# Altium PCB BG1094.PcbDoc (part 2 of 2)
Units mil, origin at the board's own origin, x right, y up, seen from the top; angles counter-clockwise.
Board outline 2559.06 x 2204.72 mil, 4 copper layers (Top Layer, Midlayer 1, Midlayer 2, Bottom Layer), stack 61.304 mil thick; 84 components, 137 nets, 468 pads, 337 vias.
Unrouted connection lines stored in the file: 1.
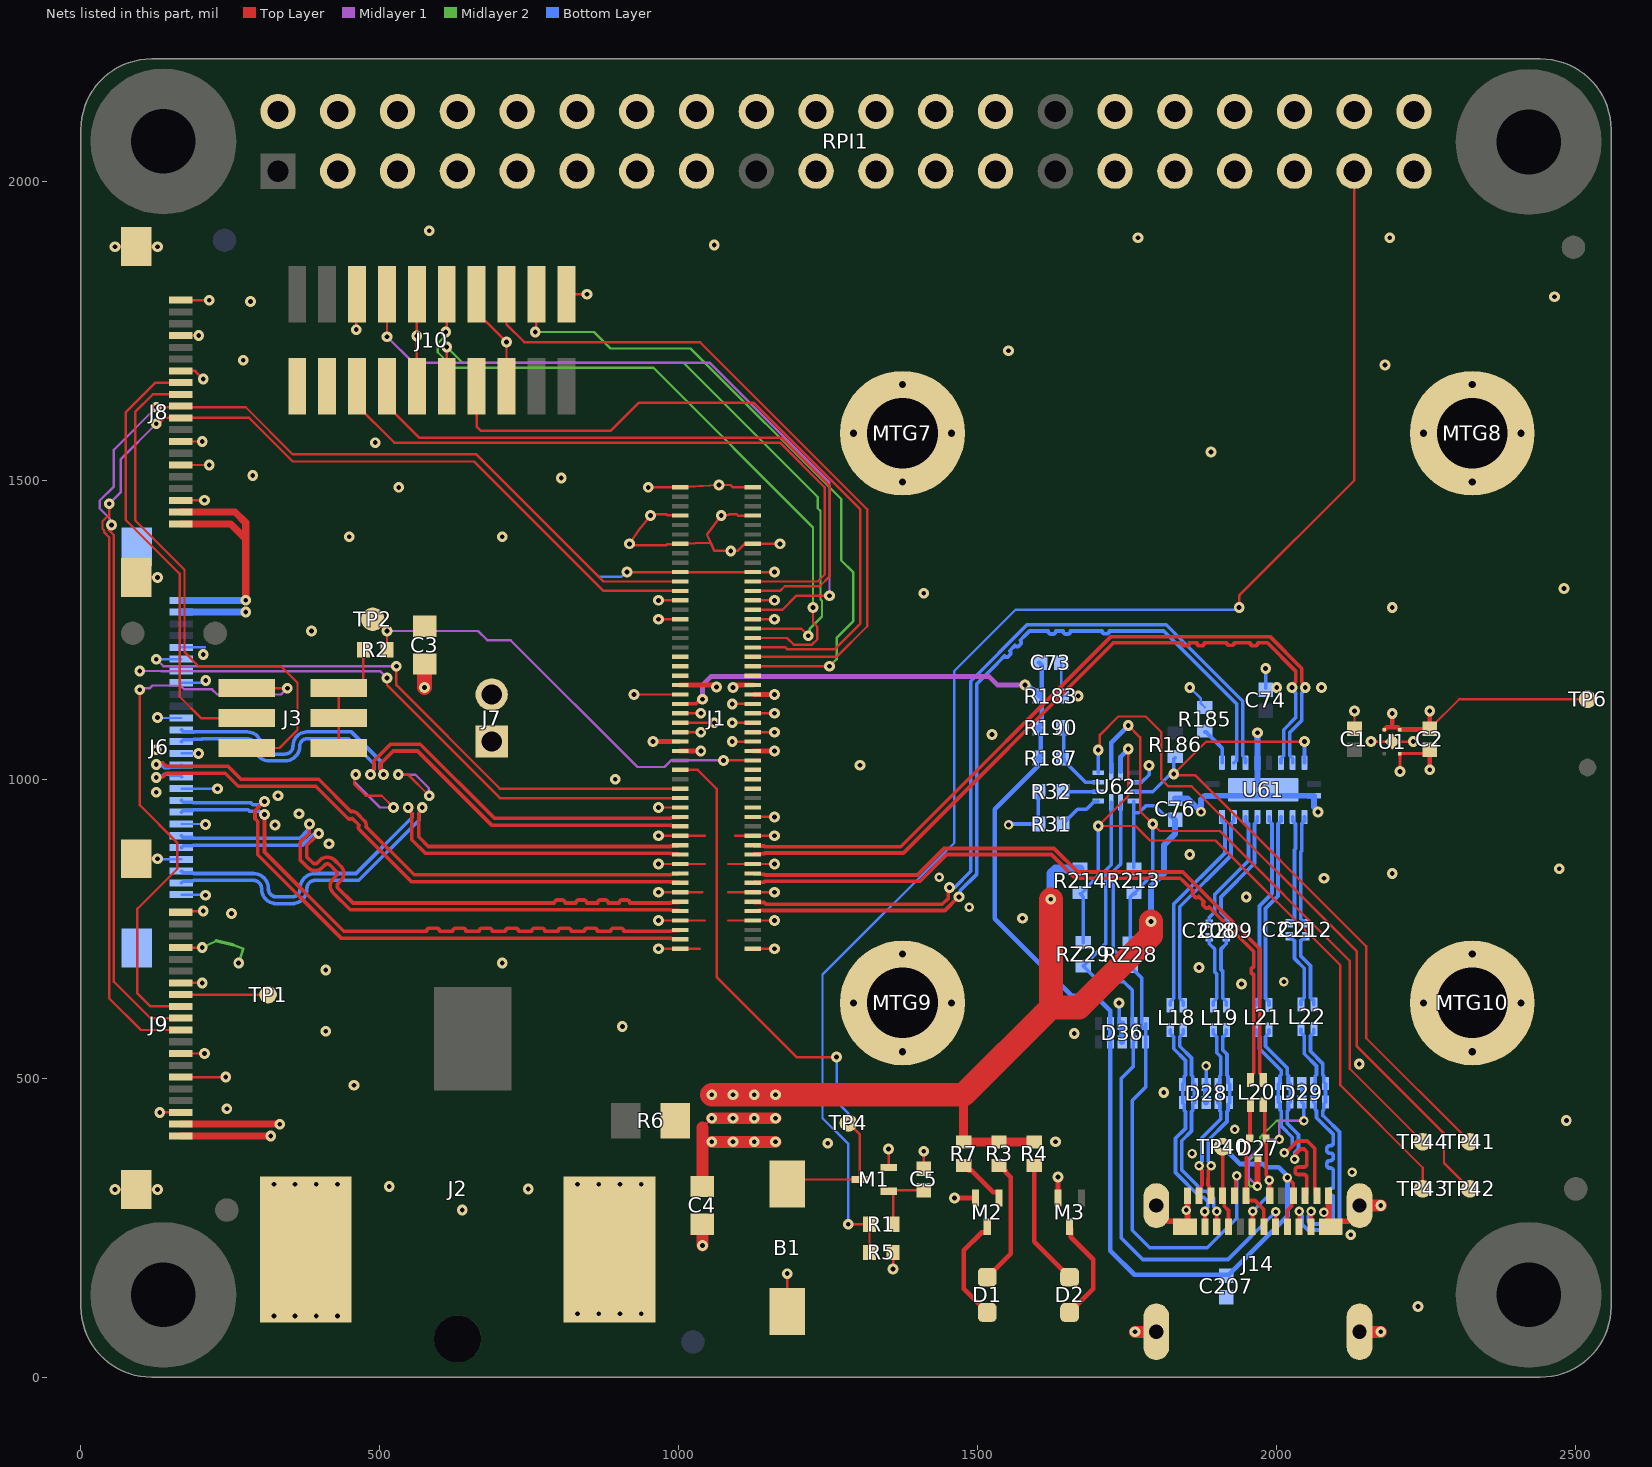
[diagram p4: the nets of this part, all layers, seen from the top]

## Via types
v1: diameter 18, hole 8, Top Layer to Bottom Layer, tented both sides, 293 vias
v2: diameter 16, hole 8, Top Layer to Bottom Layer, tented both sides, 28 vias
v3: diameter 24, hole 12, Top Layer to Bottom Layer, tented both sides, 16 vias

## Nets (pads, with @x,y where several pads share a name; then routed paths per layer and width w, separated by ;. In a path a pad name is that pad's centre, name@x,y a point inside that pad or via, vN(x,y) a via of type N, cw(c..) or ccw(c..) an arc to the next point about the centre after c; other vN are vias at no path point) (continued)
CC1: D36.1 D36.10 J14.A5 RZ28.1 U62.1 | length 1081.8
  Top Layer w6: J14.A5@1929.13,303.15 1931.16,305.18 1931.16,334.7 v2(1933.07,336.61)
  Bottom Layer w5.91: U62.1@1738.77,961.61 1738.77,858.35 1726.53,846.11 1726.53,715.53 RZ28.1@1755.14,686.93 1773.84,668.23 1773.84,587.19 1780.62,580.41 1780.62,575.49 ; D36.10@1780.62,591.24 D36.1@1780.62,560.53 1780.62,485.34 1758.03,462.75 1758.03,245.91 1787.4,216.54 1883.86,216.54 1933.07,265.75 v2(1933.07,336.61)
CC2: D36.2 D36.9 J14.B5 RZ29.1 U62.2 | length 1162.7
  Top Layer w6: J14.B5@1998.03,251.97 1998.09,252.03 1998.09,276.53 v2(1998.15,276.6)
  Bottom Layer w6: U62.2@1723.02,961.61 1723.02,857.01 1713.96,847.94 1713.96,725.27 RZ29.1@1676.39,687.7 1702.68,661.42 1744.09,661.42 1758.03,647.48 1758.03,578.4 1760.93,575.49 ; D36.9@1760.93,591.24 1760.93,575.49 ; v2(1998.15,276.6) 1918.41,196.85 1775.59,196.85 1740.16,232.28 1740.16,500 1759.87,519.71 1759.87,559.46 D36.2@1760.93,560.53 1760.93,575.49
COM_AUX_IO2: J1.42 R2.1 TP2.1 | length 763.1
  Top Layer w4: TP2.1@488.19,1267.72 490.16,1267.72 509.84,1248.03 v1(511.81,1248.03) R2.1@511.81,1228.35 ; v1(1074.8,1031.5) J1.42@1124.61,1031.5
  Midlayer 1 w4: v1(511.81,1248.03) 664.36,1248.03 679.8,1232.59 718.67,1232.59 930.83,1020.43 975.96,1020.43 987.02,1031.5 v1(1074.8,1031.5)
FSIN1: J3.2 J8.9 | length 910.9
  Top Layer w4: J8.9@167.32,1643.7 120.08,1643.7 90.55,1614.17 90.55,1433.07 173.23,1350.39 173.23,1212.6 196.85,1188.98 334.65,1188.98 362.2,1161.42 362.2,1082.68 331.89,1052.36 J3.2@277.56,1052.36
FSIN2: J3.6 J9.9 | length 971.7
  Top Layer w4: v1(98.43,1149.61) 98.43,956.69 161.42,893.7 161.42,850.39 94.49,783.46 94.49,641.73 116.14,620.08 J9.9@167.32,620.08 ; J3.6@277.56,1152.36 v1(345.28,1152.36)
  Midlayer 1 w4: v1(98.43,1149.61) 101.1,1152.28 107.69,1152.28 107.77,1152.36 115.4,1152.36 119.8,1156.76 166.45,1156.76 172.85,1150.35 219.5,1150.35 228.12,1141.73 334.65,1141.73 v1(345.28,1152.36)
GND: B1.1 C1.1 C2.2 C3.2 C4.2 C5.1 C73.1 C74.1 C76.1 C207.1 D27.3 D28.3 D28.8 D29.3 D29.8 D36.3 D36.8 J1.1 J1.2 J1.7 J1.8 J1.13 J1.14 J1.19 J1.20 J1.25 J1.26 J1.30 J1.31 J1.43 J1.44 J1.45 J1.46 J1.55 J1.56 J1.57 J1.58 J1.71 J1.72 J1.75 J1.76 J1.81 J1.82 J1.87 J1.88 J1.93 J1.94 J1.99 J1.100 J2.2 J2.3 J6.1 J6.4 J6.7 J6.10 J6.13 J6.16 J6.19 J6.22 J6.MP1 J6.MP2 J7.P1 J8.1 J8.4 J8.7 J8.13 J8.15 J8.18 J8.MP1 J8.MP2 J9.1 J9.4 J9.7 J9.13 J9.15 J9.18 J9.MP1 J9.MP2 J10.1 J10.6 J10.7 J10.11 J10.12 J10.15 J10.18 J10.20 J14.A1 J14.A12 J14.B1 J14.B12 J14.SH1 J14.SH2 J14.SH3 J14.SH4 M1.2 M2.2 M3.2 MTG7.1 MTG8.1 MTG9.1 MTG10.1 R5.1 R31.2 R32.2 R183.1 R185.2 RPI1.6 RPI1.9 RPI1.14 RPI1.20 RPI1.25 RPI1.30 RPI1.34 RPI1.39 U1.2 U1.5 U61.5 U61.11 U61.20 U61.21 U62.10 | length 6871.1
  Top Layer w4: v1(57.09,313.98) J9.MP2@92.52,313.98 v1(127.95,313.98) ; v1(57.09,1890.75) J8.MP1@92.52,1890.75 v1(127.95,1890.75) ; J9.MP1@92.52,867.13 v1(127.95,867.13) ; J8.MP2@92.52,1337.6 v1(127.95,1337.6) ; v1(131.89,442.91) J9.18@167.32,442.91 ; J9.15@167.32,501.97 v1(242.13,501.97) ; J9.13@167.32,541.34 v1(206.69,541.34) ; J9.7@167.32,659.45 v1(202.76,659.45) ; J9.4@167.32,718.5 v1(202.76,718.5) ; J9.1@167.32,777.56 169.29,779.53 v1(204.72,779.53) ; J8.18@167.32,1466.54 v1(206.69,1466.54) ; J8.15@167.32,1525.59 v1(214.57,1525.59) ; J8.13@167.32,1564.96 v1(202.76,1564.96) ; J8.4@167.32,1742.13 167.48,1742.28 v1(197.04,1742.28) v1@198.86,1744.09 ; J8.1@167.32,1801.18 v1(214.57,1801.18) ; J8.7@169.3,1681.1 J8.7@167.32,1683.07 190.94,1683.07 v1(204.72,1669.29) ; v1(459.78,1007.87) 457.1,1005.2 457.1,998.94 456.69,998.53 456.69,992.13 476.38,972.44 503.09,972.44 v1(522.77,952.76) ; v1(460.63,1751.97) 460.63,1809.84 J10.15@461.81,1811.02 ; v1(530.72,1007.87) 547.24,1007.87 v1(582.68,972.44) ; J10.12@561.81,1657.48 v1(561.81,1741.34) J10.11@561.81,1811.02 ; J10.7@661.81,1811.02 661.81,1778.74 674.77,1765.78 677.53,1765.78 v1(711.81,1731.5) J10.6@711.81,1657.48 ; J10.1@811.81,1811.02 v1(846.46,1811.02) ; v1(925.2,1141.73) J1.55@1001.38,1141.73 ; v1(948.82,1488.19) 1001.38,1488.19 v1(1066.93,1492.12) 1086.62,1492.12 1090.55,1488.19 J1.100@1124.61,1488.19 ; v1(965.95,716.54) 1001.38,716.54 1035.43,716.54 ; v1(965.95,763.78) 1001.38,763.78 1043.31,763.78 ; v1(965.95,811.02) 1001.38,811.02 1039.37,811.02 ; v1(965.95,858.27) 1001.38,858.27 1043.31,858.27 ; v1(965.95,905.51) 1001.38,905.51 1043.31,905.51 ; v1(965.95,952.76) J1.31@1001.38,952.76 ; v1(965.95,1267.72) J1.71@1001.38,1267.72 ; v1(965.95,1299.21) J1.75@1001.38,1299.21 ; J1.81@1001.38,1346.46 v1(913.39,1346.46) 1124.61,1346.46 v1(1160.04,1346.46) ; J1.93@1001.38,1440.94 1000.96,1441.36 980.61,1441.36 978.65,1443.32 955.13,1443.32 v1(952.76,1440.94) 933.07,1417.32 v1(917.32,1393.7) 919.7,1391.32 978.65,1391.32 980.61,1393.28 1000.96,1393.28 1001.38,1393.7 1053.15,1395.67 ; v1(1062.99,1154.53) v1@1062.99,1157.48 ; 1082.68,763.78 1124.61,763.78 v1(1160.04,763.78) ; 1082.68,811.02 1124.61,811.02 v1(1160.04,811.02) ; 1082.68,858.27 1124.61,858.27 v1(1160.04,858.27) ; v1(1089.17,1062.99) J1.46@1124.61,1062.99 ; v1(1090.55,1153.54) v1@1094.49,1157.48 ; 1094.49,905.51 1124.61,905.51 v1(1160.04,905.51) ; J1.2@1124.61,716.54 v1(1160.04,716.54) ; J1.30@1124.61,937.01 v1(1160.04,937.01) ; J1.72@1124.61,1267.72 v1(1160.04,1267.72) ; J1.76@1124.61,1299.21 v1(1160.04,1299.21) ; J1.94@1124.61,1440.94 1099.14,1440.94 1096.76,1443.32 1084.34,1443.32 1083.02,1442 1071.93,1442 v1(1070.87,1440.94) 1047.24,1409.45 1053.15,1395.67 ; v1(1169.29,1393.7) 1124.61,1393.7 1109.78,1393.7 1097.97,1381.89 v1(1086.61,1381.89) 1059.06,1381.89 1053.15,1395.67 ; B1.1@1181.1,110.24 v1(1181.1,173.23) ; M1.2@1350.79,350.39 v1(1350.79,381.5) ; v1(1358.27,181.1) R5.1@1358.27,208.66 ; C5.1@1409.45,348.43 v1(1409.45,377.95) ; C1.1@2129.92,1084.65 v1(2129.92,1114.17) ; v1(2157.48,1062.99) 2182.38,1062.99 U1.5@2192.91,1062.99 v1(2228.35,1062.99)
  Top Layer w5: v1(2205.91,1012.99) U1.2@2205.91,1042.91 C2.2@2249.61,1042.91
  Top Layer w8: v1(956.69,1062.99) J1.45@1001.38,1062.99 ; J1.43@1001.38,1047.24 v1(1036.81,1047.24) ; J1.57@1001.38,1157.48 v1@1062.99,1157.48 ; v1@1094.49,1157.48 J1.58@1124.61,1157.48 ; J1.44@1124.61,1047.24 v1(1160.04,1047.24) ; J1.56@1124.61,1141.73 v1(1160.04,1141.73) ; v1(1461.02,299.61) M2.2@1496.06,299.61 ; M3.2@1633.86,299.61 v1(1633.86,334.65) ; U1.5@2192.91,1055.91 U1.5@2192.91,1062.99 ; C2.2@2249.61,1042.91 C2.2@2255.91,1049.21 v1(2255.91,1015.75)
  Top Layer w9.84: J14.SH1@1798.43,287.01 1798.42,280.32 1817.91,260.83 1837.6,260.83 J14.B12@1846.46,251.97 1850.39,255.91 J14.A1@1850.39,303.15 ; v2(1967.52,319.41) 1968.01,319.9 1968.01,365.65 D27.3@1968.5,366.14 ; J14.A12@2086.61,303.15 2086.61,255.91 J14.B1@2090.55,251.97 2099.41,260.83 2119.1,260.83 2138.58,280.32 J14.SH4@2138.58,287.01
  Top Layer w20: v1(322.83,102.36) v1(358.27,102.36) v1(393.7,102.36) v1(429.13,102.36) ; v1(322.83,322.83) v1(358.27,322.83) v1(393.7,322.83) v1(429.13,322.83) ; v1(830.71,106.3) v1(866.14,106.3) v1(901.57,106.3) v1(937.01,106.3) ; v1(830.71,322.83) v1(866.14,322.83) v1(901.57,322.83) v1(937.01,322.83) ; v1(1039.37,220.47) C4.2@1039.37,255.91 ; v1(1762.99,75.98) J14.SH2@1798.43,75.98 ; J14.SH3@2138.58,75.98 v1(2174.02,75.98) ; J14.SH4@2138.58,287.01 v1(2174.02,287.01)
  Top Layer w25: v1(574.8,1153.54) C3.2@574.8,1192.91
  Midlayer 1 w4: v1(459.78,1007.87) 457.54,1005.63 457.54,995.22 500,952.76 v1(522.77,952.76) ; v1(530.72,1007.87) 559.05,1007.87 581.98,984.95 581.98,973.14 v1(582.68,972.44) ; v2(1967.52,319.41) 1952.76,334.17 1952.76,366.14 1984.25,397.64 v2(2003.94,397.64) 2003.85,397.73 2003.85,426.7 2006.19,429.05 v2(2045.38,429.05)
  Midlayer 2 w4: v1(202.76,718.5) 226.36,729.66 ; 253.96,723.09 271.65,716.54 v1(263.78,692.91) ; v2(1967.52,319.41) 1955.61,319.41 1953.26,321.75 1953.26,362.71 1972.44,381.89 1972.44,401.57 1999.91,429.05 v2(2045.38,429.05)
  Midlayer 2 w6: 226.36,729.66 253.96,723.09
  Bottom Layer w4: v1(127.95,867.13) 128.91,866.17 J6.4@168.19,866.17 ; v1@128.91,1102.39 J6.16@168.19,1102.39 ; J6.1@168.19,807.11 v1@207.46,807.11 ; J6.7@168.19,925.22 v1@207.46,925.22 ; J6.10@168.19,984.28 v1(228.32,984.28) ; J6.13@168.19,1043.33 v1(196.85,1043.31) ; J6.19@168.19,1161.44 v1@207.46,1161.44 ; J6.22@168.19,1220.5 207.46,1220.5 ; 866.81,1338.58 904.04,1338.58 911.92,1346.46 v1(913.39,1346.46) ; C73.1@1639.76,1194.88 1639.76,1141.2 R183.1@1641.73,1139.23 v1(1667.85,1139.23) ; v1@1786.4,1015.42 v1(1786.4,1023.03) ; v1(1854.33,1153.54) 1873.02,1134.86 1873.02,1126.96 R185.2@1879.61,1120.37
  Bottom Layer w5.91: v2(1551.41,923.76) 1552.84,925.19 1600.78,925.19 R32.2@1600.78,979.33 ; v1(1736.22,625.98) 1736.22,586.21 1741.25,581.18 1744.09,578.34 1741.25,575.49 ; U62.10@1760.43,995.07 1760.47,995.12 1773.7,995.12 1786.4,1007.81 v1@1786.4,1015.42 ; v2(1881.73,520.69) 1881.89,520.53 D28.3@1881.89,489.86 ; C74.1@1981.33,1151.9 v1(1981.33,1185.07) ; D29.3@2042,490.86 D29.8@2042,460.15 2045.38,456.78 v2(2045.38,429.05)
  Bottom Layer w9.84: D36.3@1741.25,560.53 1741.25,575.49 1741.25,581.18 D36.8@1741.25,591.24 ; v2(1873.21,945.42) 1873.21,966.05 1879.59,972.44 U61.20@1892.71,972.44 1967.52,972.44 U61.21@1977.36,982.28 ; D28.8@1881.89,459.15 D28.3@1881.89,489.86 ; U61.5@1967.51,1027.55 1967.51,992.12 U61.21@1977.36,982.28 ; v1(2068.92,945.42) 2068.92,947.09 2062,954 U61.11@2062,972.44 1987.2,972.44 U61.21@1977.36,982.28
  Bottom Layer w10: C76.1@1829.92,967.62 1851.01,967.62 v2(1873.21,945.42) ; U61.5@1967.51,1027.55 v1(1967.51,1077.75)
  other v1: 2236.22,118.11 2123.75,238.18 637.8,279.53 748.03,314.96 515.75,318.9 1249.11,391.32 1629.92,393.7 2484.25,429.13 244.09,448.82 1811.07,476.37 456.69,488.19 2137.8,523.62 1661.42,574.8 409.45,578.74 905.51,586.61 1940.94,657.48 409.45,681.1 1870.08,685.04 704.72,692.91 1574.8,767.72 251.97,775.59 1948.82,803.15 208.42,806.16 2078.74,834.65 2192.91,842.52 2472.44,850.39 1854.33,874.02 414.94,892.15 324.39,923.64 208.42,924.27 364.78,942.31 329.69,972.31 125.98,978.34 893.7,1000 1303.15,1023.62 125.98,1049.28 1523.62,1074.8 127.95,1103.35 2000,1153.54 2074.8,1153.54 208.66,1165.35 204.72,1208.66 385.83,1248.03 2192.91,1287.4 1409.45,1311.02 2480.32,1318.9 448.82,1405.51 704.72,1405.51 531.5,1488.19 803.15,1503.94 287.4,1507.87 1889.76,1547.24 492.13,1562.99 2181.1,1692.91 271.65,1700.79 1551.18,1716.54 283.46,1799.21 2464.57,1807.09 1059.06,1893.7 1767.72,1905.51 2188.98,1905.51 582.68,1917.32
  other v2: 2078.74,275.59 1848.41,279.53 2125.89,342.78 1858.27,374.02 1929.58,414.4 2011.81,661.42 1485.62,786.04 1435.45,836.2
  other v3: 1374.02,544.29 2326.77,544.29 1292.32,625.98 1455.71,625.98 2245.08,625.98 2408.46,625.98 1374.02,707.68 2326.77,707.68 1374.02,1497.05 2326.77,1497.05 1292.32,1578.74 1455.71,1578.74 2245.08,1578.74 2408.46,1578.74 1374.02,1660.43 2326.77,1660.43
GPIO4: RPI1.7
GPIO5: RPI1.29
GPIO6: RPI1.31
GPIO12: RPI1.32
GPIO17: RPI1.11
GPIO18: RPI1.12
GPIO19: RPI1.33
GPIO22: RPI1.15
GPIO23: RPI1.16
GPIO24: RPI1.18
GPIO25: RPI1.22
GPIO27: RPI1.13
I2C1_SCL: J1.35 J6.21 | length 1025.7
  Top Layer w4: v1(527.56,1188.98) 527.56,1157.48 700.79,984.25 J1.35@1001.38,984.25
  Midlayer 1 w4: v1(126.01,1200.81) 137.85,1188.98 v1(527.56,1188.98)
  Bottom Layer w4: v1(126.01,1200.81) J6.21@168.19,1200.81
I2C1_SDA: J1.33 J6.20 | length 1067.7
  Top Layer w4: v1(511.81,1169.29) 511.81,1157.48 700.79,968.5 J1.33@1001.38,968.5
  Midlayer 1 w4: v1(98.45,1181.13) 134.38,1181.13 134.54,1180.98 500.13,1180.98 v1(511.81,1169.29)
  Bottom Layer w4: v1(98.45,1181.13) J6.20@168.19,1181.13
I2C2_SCL: J1.77 J8.11 J9.11 | length 2150.7
  Top Layer w4: v1(47.24,1460.63) 47.24,1440.19 44.97,1440.19 36.18,1431.41 36.18,1418.98 38.54,1416.62 38.54,1413.31 47.12,1404.73 47.12,658.1 47.24,657.98 47.24,633.86 100.39,580.71 J9.11@167.32,580.71 ; v1(125.98,1594.49) 129.92,1594.49 v1@133.85,1598.43 ; v1@129.92,1594.49 139.77,1604.33 J8.11@167.32,1604.33 281.5,1604.33 354.33,1531.5 657.48,1531.5 874.02,1314.96 J1.77@1001.38,1314.96
  Midlayer 1 w4: v1(47.24,1460.63) 66.93,1480.31 66.93,1535.43 v1(125.98,1594.49)
I2C2_SDA: J1.79 J8.10 J9.10 | length 2154.1
  Top Layer w4: v1@55.12,1429.13 v1(51.18,1425.19) 51.18,1421.41 46.54,1416.77 46.54,1416.62 55.12,1408.04 55.12,661.42 116.14,600.39 J9.10@167.32,600.39 ; v1(125.98,1622.05) 165.36,1622.05 J8.10@167.32,1624.02 169.29,1622.05 275.59,1622.05 354.33,1543.31 661.42,1543.31 874.02,1330.71 J1.79@1001.38,1330.71
  Midlayer 1 w4: v1(51.18,1425.19) 48.51,1427.86 48.51,1435.74 31.5,1452.76 31.5,1466.1 55.12,1489.72 55.12,1551.18 v1(125.98,1622.05)
I2C3_SCL: J1.78 J10.14 | length 1117.8
  Top Layer w4: J10.14@511.81,1657.48 511.81,1625.2 566.02,1570.99 1172.61,1570.99 1252.09,1491.5 1252.09,1339.21 1235.6,1322.71 1177.04,1322.71 1169.29,1314.96 J1.78@1124.61,1314.96
I2C3_SDA: J1.80 J10.16 | length 1141.4
  Top Layer w4: J10.16@461.81,1657.48 461.81,1625.2 524.02,1562.99 1169.29,1562.99 1244.09,1488.19 1244.09,1342.52 1232.28,1330.71 J1.80@1124.61,1330.71
"I2C SCK": RPI1.5
"I2C SDA": RPI1.3
MIPI_C_N: J1.3 J6.9 | length 1006.4
  Top Layer w6: v1(307.09,962.94) 301.09,956.94 300.46,956.94 291.09,947.57 291.09,934.32 295.67,929.74 295.67,873.62 434.84,734.45 964.26,734.45 986.12,734.45 986.95,733.61 1000.05,733.61 J1.3@1001.38,732.28
  Bottom Layer w6: J6.9@168.19,964.59 171.09,961.69 187.16,961.69 188.39,960.46 284.47,960.46 287.28,957.65 298.55,957.65 303.84,962.94 v1(307.09,962.94)
MIPI_C_P: J1.5 J6.8 | length 1002.3
  Top Layer w6: v1(307.09,940.94) 307.09,878.35 439.57,745.87 559.06,745.87 577.94,745.87 cw(c582.94,745.87) 582.94,750.87 594.94,750.87 cw(c594.94,745.87) 599.94,745.87 621.94,745.87 cw(c626.94,745.87) 626.94,750.87 638.94,750.87 cw(c638.94,745.87) 643.94,745.87 665.94,745.87 cw(c670.94,745.87) 670.94,750.87 682.94,750.87 cw(c682.94,745.87) 687.94,745.87 709.94,745.87 cw(c714.94,745.87) 714.94,750.87 726.94,750.87 cw(c726.94,745.87) 731.94,745.87 753.94,745.87 cw(c758.94,745.87) 758.94,750.87 770.94,750.87 cw(c770.94,745.87) 775.94,745.87 797.94,745.87 cw(c802.94,745.87) 802.94,750.87 814.94,750.87 cw(c814.94,745.87) 819.94,745.87 841.94,745.87 cw(c846.94,745.87) 846.94,750.87 858.94,750.87 cw(c858.94,745.87) 863.94,745.87 885.94,745.87 cw(c890.94,745.87) 890.94,750.87 902.94,750.87 cw(c902.94,745.87) 907.94,745.87 929.94,745.87 940.94,745.87 959.53,745.87 986.12,745.87 986.95,746.7 1000.05,746.7 J1.5@1001.38,748.03
  Bottom Layer w6: J6.8@168.19,944.91 171.09,947.81 187.16,947.81 188.39,949.04 279.74,949.04 282.55,946.23 298.55,946.23 303.84,940.94 v1(307.09,940.94)
MIPI_D0_N: J1.9 J6.6 | length 1005
  Top Layer w6: v1(382.08,925.01) 382.08,916.52 381.64,916.08 381.64,909.6 366.53,894.49 366.53,865.35 379.66,852.23 ccw(c391.63,864.2) 403.61,852.23 408.24,856.86 cw(c412.14,852.95) 416.04,856.86 426.62,846.27 cw(c422.72,842.37) 428.24,842.37 cw(c422.72,842.37) 426.62,838.47 421.99,833.84 ccw(c433.97,821.86) 421.99,809.89 450.19,781.69 986.12,781.69 986.95,780.86 1000.05,780.86 J1.9@1001.38,779.53
  Bottom Layer w6: J6.6@168.19,905.54 171.09,902.63 187.16,902.63 188.39,901.41 365.96,901.41 379.79,915.23 379.79,922.71 v1(382.08,925.01)
MIPI_D0_P: J1.11 J6.5 | length 1004.5
  Top Layer w6: v1(397.64,909.45) 389.71,901.52 377.95,889.76 377.95,870.08 387.73,860.3 ccw(c391.63,864.2) 395.53,860.3 400.16,864.93 cw(c412.14,852.95) 424.11,864.93 434.7,854.35 cw(c422.72,842.37) 439.66,842.37 cw(c422.72,842.37) 434.7,830.4 430.06,825.76 ccw(c433.97,821.86) 430.07,817.96 454.92,793.11 641.73,793.11 791.88,793.11 cw(c796.88,793.11) 796.88,798.11 804.88,798.11 cw(c804.88,793.11) 809.88,793.11 827.88,793.11 cw(c832.88,793.11) 832.88,798.11 840.88,798.11 cw(c840.88,793.11) 845.88,793.11 863.88,793.11 cw(c868.88,793.11) 868.88,798.11 876.88,798.11 cw(c876.88,793.11) 881.88,793.11 899.88,793.11 cw(c904.88,793.11) 904.88,798.11 912.88,798.11 cw(c912.88,793.11) 917.88,793.11 935.88,793.11 944.88,793.11 986.12,793.11 986.95,793.94 1000.05,793.94 J1.11@1001.38,795.28
  Bottom Layer w6: J6.5@168.19,885.85 171.09,888.76 187.16,888.76 188.39,889.99 370.69,889.99 387.86,907.15 395.34,907.15 v1(397.64,909.45)
MIPI_D1_N: J1.15 J6.11 | length 1005.1
  Top Layer w6: v1@125.98,1003.94 137.11,1003.94 143.21,1010.04 241.53,1010.04 262.99,988.58 392.91,988.58 446.5,934.99 ccw(c450.54,939.02) 454.04,934.52 465.42,923.14 ccw(c469.93,919.63) 465.89,915.6 552.55,828.94 986.12,828.94 986.95,828.1 1000.05,828.1 J1.15@1001.38,826.77
  Bottom Layer w6: v1(125.98,1002.81) 128.28,1005.1 136.51,1005.1 139.5,1008.1 147.99,1008.1 149.21,1006.87 165.28,1006.87 J6.11@168.19,1003.96
MIPI_D1_P: J1.17 J6.12 | length 1007.4
  Top Layer w6: v1@122.05,1027.56 137.11,1027.56 143.21,1021.46 246.26,1021.46 267.72,1000 397.64,1000 451.7,945.93 cw(c454.07,935.49) 461.65,943.06 473.97,930.74 cw(c466.39,923.17) 477.1,923.17 cw(c466.39,923.17) 476.84,920.8 557.28,840.36 986.12,840.36 986.95,841.19 1000.05,841.19 J1.17@1001.38,842.52
  Bottom Layer w6: v1(125.98,1024.81) 128.28,1022.51 136.51,1022.51 139.5,1019.52 147.99,1019.52 149.21,1020.74 165.28,1020.74 J6.12@168.19,1023.65
MIPI_D2_N: J1.21 J6.3 | length 1003.9
  Top Layer w6: v1(547.24,952.76) 547.24,949.51 553.35,943.41 553.35,899.01 576.17,876.18 986.12,876.18 986.95,875.35 1000.05,875.35 J1.21@1001.38,874.02
  Bottom Layer w6: J6.3@168.19,846.48 171.09,843.58 187.16,843.58 188.39,842.35 288.47,842.35 cw(c288.47,817.31) 313.51,817.31 ; 313.51,816.97 ccw(c327.13,816.97) 327.13,803.35 352.89,803.35 ccw(c352.89,816.97) 366.51,816.97 ; 366.51,817.31 cw(c391.55,817.31) 391.55,842.35 460.06,842.35 553.35,935.64 553.35,943.41 547.24,949.51 v1(547.24,952.76)
MIPI_D2_P: J1.23 J6.2 | length 1003.9
  Top Layer w6: v1(570.87,952.76) 570.87,949.51 564.77,943.41 564.77,903.74 580.9,887.6 986.12,887.6 986.95,888.43 1000.05,888.43 J1.23@1001.38,889.76
  Bottom Layer w6: J6.2@168.19,826.8 171.09,829.7 187.16,829.7 188.39,830.93 288.47,830.93 cw(c288.47,817.31) 302.09,817.31 ; 302.09,816.97 ccw(c327.13,816.97) 327.13,791.93 352.89,791.93 ccw(c352.89,816.97) 377.93,816.97 ; 377.93,817.31 cw(c391.55,817.31) 391.55,830.93 464.79,830.93 564.77,930.91 564.77,943.41 570.87,949.51 v1(570.87,952.76)
MIPI_D3_N: J1.27 J6.15 | length 1005.7
  Top Layer w6: v1(506.25,1007.87) 506.25,1012.87 500.96,1018.16 500.96,1025.87 522.33,1047.24 562.99,1047.24 686.81,923.42 986.12,923.42 986.95,922.59 1001.38,922.59 J1.27@1001.38,921.26
  Bottom Layer w6: J6.15@168.19,1082.7 171.09,1079.8 J6.15@187.16,1079.8 ; 188.39,1078.57 J6.15@187.16,1079.8 ; v1(506.25,1007.87) 506.25,1011.12 500.96,1016.41 500.96,1030.6 452.38,1079.18 378.08,1079.18 ccw(c378.08,1055.8) 354.7,1055.8 cw(c341.08,1055.8) 341.08,1042.18 315.32,1042.18 cw(c315.32,1055.8) 301.7,1055.8 ccw(c278.32,1055.8) 278.32,1079.18 200.77,1079.18 200.16,1079.8 J6.15@187.16,1079.8
MIPI_D3_P: J1.29 J6.14 | length 1003.7
  Top Layer w6: v1(484.25,1007.87) 484.25,1011.12 489.54,1016.41 489.54,1030.6 517.6,1058.66 567.72,1058.66 691.54,934.84 986.12,934.84 986.95,935.68 1000.05,935.68 J1.29@1001.38,937.01
  Bottom Layer w6: J6.14@168.19,1063.02 171.09,1065.92 187.16,1065.92 188.39,1067.15 202.71,1067.15 203.32,1067.76 278.32,1067.76 cw(c278.32,1055.8) 290.28,1055.8 ccw(c315.32,1055.8) 315.32,1030.76 341.08,1030.76 ccw(c341.08,1055.8) 366.12,1055.8 cw(c378.08,1055.8) 378.08,1067.76 447.65,1067.76 489.54,1025.87 489.54,1016.41 484.25,1011.12 v1(484.25,1007.87)
MODULE_nRST: B1.2 J1.39 M1.3 TP4.1 | length 991.6
  Top Layer w4: J1.39@1001.38,1015.75 1001.49,1015.63 1031.61,1015.63 1063.12,984.13 1063.12,669.17 1196.85,535.43 v1(1263.78,535.43) ; B1.2@1181.1,322.83 1188.98,330.71 M1.3@1302.76,330.71 1302.76,405.91 v1(1283.46,425.2)
  Bottom Layer w4: v1(1263.78,535.43) 1263.78,460.63 1283.46,440.94 v1(1283.46,425.2)
NetC5_2: C5.2 M1.1 R1.1 | length 119.8
  Top Layer w4: R1.1@1358.27,255.91 1358.27,307.12 1354.36,311.02 M1.1@1350.79,311.02 1352.76,312.99 C5.2@1409.45,312.99
NetD1_1: D1.1 M2.3 | length 179.2
  Top Layer w8: D1.1@1515.75,108.27 1476.38,147.64 1476.38,212.2 1506.19,242.01 1511.84,242.01 1515.75,245.92 M2.3@1515.75,251.57
NetD1_2: D1.2 R3.1 | length 212.6
  Top Layer w8: D1.2@1515.75,167.32 1555.12,206.69 1555.12,334.65 1546.23,343.54 1546.23,345.5 1537.4,354.33 R3.1@1535.43,354.33
NetD2_1: D2.1 M3.3 | length 175.9
  Top Layer w8: D2.1@1653.54,108.27 1692.91,147.64 1692.91,196.85 1655.82,233.94 1655.82,249.3 M3.3@1653.54,251.57
NetD2_2: D2.2 R4.1 | length 211.5
  Top Layer w8: R4.1@1594.49,354.33 1594.49,226.38 D2.2@1653.54,167.32